# KiCad board NewMXtest.kicad_pcb
title: Echo_Ayla80 PCB; date: 2024-11-14; rev: 1.0; company: Michael O'Toole
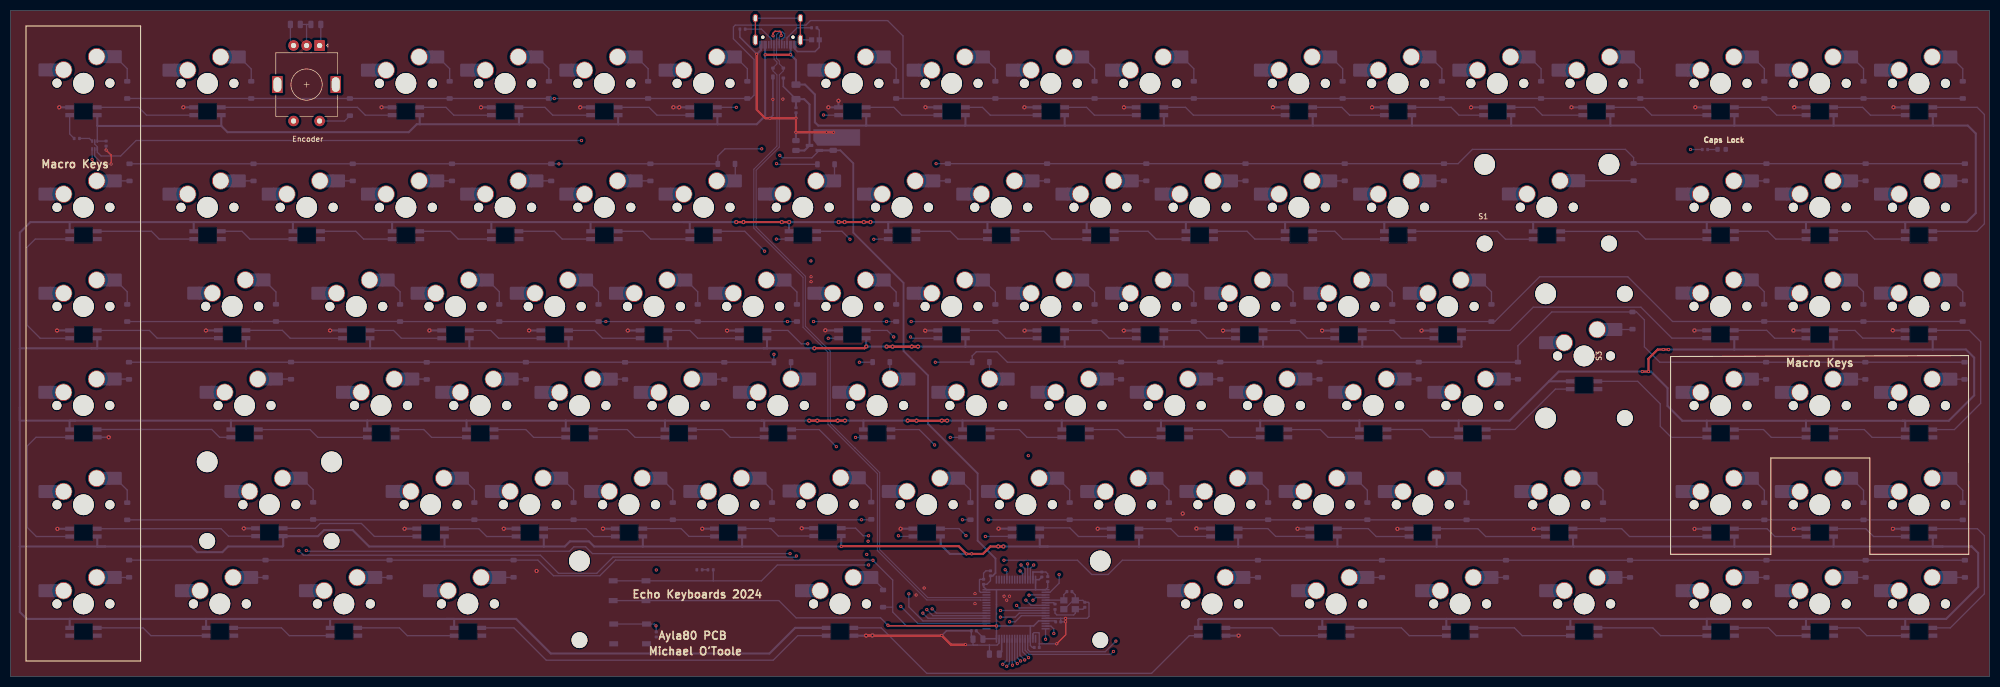
[diagram p0: board, top side]
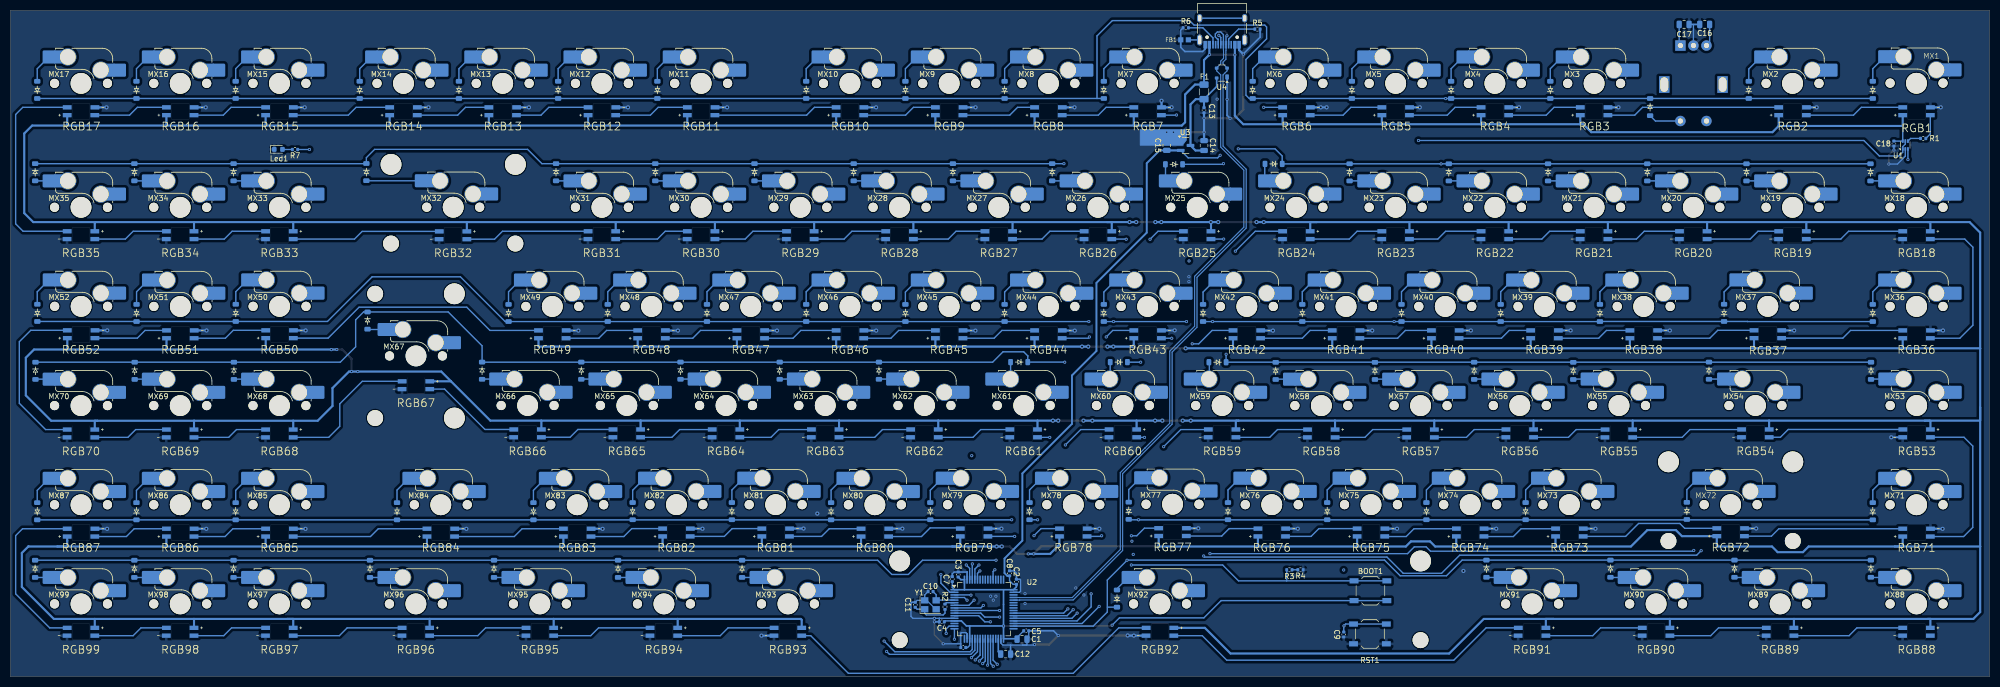
[diagram p1: board, bottom side, seen from below]

Outline 380 x 128 mm; copper layers: Top, In1.Cu, In2.Cu, Bottom. Coordinates in mm from the lower left corner of the outline.
Outline path: 0,128 0,0 380,0 380,128 0,128
Stack: Top 0.035mm / dielectric 0.1mm FR4 er 4.5 / In1.Cu 0.035mm / dielectric 1.24mm FR4 er 4.5 / In2.Cu 0.035mm / dielectric 0.1mm FR4 er 4.5 / Bottom 0.035mm

## Placement (name value [footprint] x y rotation side)
BOOT1  SW_SPST  [SW_SPST_TL3342]  118.88 16.5 180 bottom
C1  47uF  [C_0805_2012Metric]  185.77 7.19 180 bottom
C2  100nF  [C_0402_1005Metric]  186.85 18.21 90 bottom
C3  100nF  [C_0402_1005Metric]  198.02 19.61 90 bottom
C4  100nF  [C_0402_1005Metric]  201.17 10.52 0 bottom
C5  100nF  [C_0402_1005Metric]  184.97 8.79 180 bottom
C6  100nF  [C_0402_1005Metric]  197.06 5.59 0 bottom
C7  100nF  [C_0402_1005Metric]  199.17 18.72 90 bottom
C8  100nF  [C_0402_1005Metric]  188.17 19.84 90 bottom
C9  100nF  [C_0402_1005Metric]  124 8.09 270 bottom
C10  12p  [C_0402_1005Metric]  203.33 16.34 0 bottom
C11  12p  [C_0402_1005Metric]  206.28 13.8 90 bottom
C12  2u2  [C_0805_2012Metric]  188.92 4.32 180 bottom
C13  100nF  [C_0402_1005Metric]  150.83 108.82 270 bottom
C14  1uF  [C_0805_2012Metric]  150.82 102.04 90 bottom
C15  10uF  [C_0805_2012Metric]  157.98 102.06 90 bottom
C16  10n  [C_0805_2012Metric]  54.71 125.3 0 bottom
C17  10n  [C_0805_2012Metric]  58.64 125.3 180 bottom
C18  100nF  [C_0402_1005Metric]  18.37 102.42 270 bottom
D1  4148  [Diode_SOD-123]  22.42 112.73 90 bottom
D2  4148  [Diode_SOD-123]  46.24 112.73 90 bottom
D3  4148  [Diode_SOD-123]  84.34 112.73 90 bottom
D4  4148  [Diode_SOD-123]  103.39 112.73 90 bottom
D5  4148  [Diode_SOD-123]  122.44 112.73 90 bottom
D6  4148  [Diode_SOD-123]  141.49 112.73 90 bottom
D7  4148  [Diode_SOD-123]  170.06 112.73 90 bottom
D8  4148  [Diode_SOD-123]  189.11 112.73 90 bottom
D9  4148  [Diode_SOD-123]  208.16 112.73 90 bottom
D10  4148  [Diode_SOD-123]  227.21 112.73 90 bottom
D11  4148  [Diode_SOD-123]  255.79 112.73 90 bottom
D12  4148  [Diode_SOD-123]  274.84 112.73 90 bottom
D13  4148  [Diode_SOD-123]  293.89 112.73 90 bottom
D14  4148  [Diode_SOD-123]  312.94 112.73 90 bottom
D15  4148  [Diode_SOD-123]  336.75 112.73 90 bottom
D16  4148  [Diode_SOD-123]  355.8 112.73 90 bottom
D17  4148  [Diode_SOD-123]  374.85 112.73 90 bottom
D18  4148  [Diode_SOD-123]  22.86 96.88 270 bottom
D19  4148  [Diode_SOD-123]  46.68 96.88 270 bottom
D20  4148  [Diode_SOD-123]  65.73 96.88 270 bottom
D21  4148  [Diode_SOD-123]  84.78 96.88 270 bottom
D22  4148  [Diode_SOD-123]  103.83 96.88 270 bottom
D23  4148  [Diode_SOD-123]  122.88 96.88 270 bottom
D24  4148  [Diode_SOD-123]  137.47 98.51 0 bottom
D25  4148  [Diode_SOD-123]  156.6 98.43 0 bottom
D26  4148  [Diode_SOD-123]  179.99 96.91 270 bottom
D27  4148  [Diode_SOD-123]  199.04 96.91 270 bottom
D28  4148  [Diode_SOD-123]  218.09 96.91 270 bottom
D29  4148  [Diode_SOD-123]  237.14 96.91 270 bottom
D30  4148  [Diode_SOD-123]  256.19 96.91 270 bottom
D31  4148  [Diode_SOD-123]  275.24 96.91 270 bottom
D32  4148  [Diode_SOD-123]  311.66 96.93 270 bottom
D33  4148  [Diode_SOD-123]  337.15 96.91 270 bottom
D34  4148  [Diode_SOD-123]  356.2 96.91 270 bottom
D35  4148  [Diode_SOD-123]  375.25 96.91 270 bottom
D36  4148  [Diode_SOD-123]  22.42 69.87 90 bottom
D37  4148  [Diode_SOD-123]  50.98 69.89 90 bottom
D38  4148  [Diode_SOD-123]  74.81 69.87 90 bottom
D39  4148  [Diode_SOD-123]  93.86 69.87 90 bottom
D40  4148  [Diode_SOD-123]  112.91 69.87 90 bottom
D41  4148  [Diode_SOD-123]  131.96 69.87 90 bottom
D42  4148  [Diode_SOD-123]  151.01 69.87 90 bottom
D43  4148  [Diode_SOD-123]  170.06 69.87 90 bottom
D44  4148  [Diode_SOD-123]  189.11 69.87 90 bottom
D45  4148  [Diode_SOD-123]  208.16 69.87 90 bottom
D46  4148  [Diode_SOD-123]  227.21 69.87 90 bottom
D47  4148  [Diode_SOD-123]  246.26 69.87 90 bottom
D48  4148  [Diode_SOD-123]  265.31 69.87 90 bottom
D49  4148  [Diode_SOD-123]  284.36 69.87 90 bottom
D50  4148  [Diode_SOD-123]  336.73 69.89 90 bottom
D51  4148  [Diode_SOD-123]  355.78 69.87 90 bottom
D52  4148  [Diode_SOD-123]  374.83 69.89 90 bottom
D53  4148  [Diode_SOD-123]  22.76 58.76 270 bottom
D54  4148  [Diode_SOD-123]  53.88 58.78 270 bottom
D55  4148  [Diode_SOD-123]  79.93 58.74 270 bottom
D56  4148  [Diode_SOD-123]  98.96 58.76 270 bottom
D57  4148  [Diode_SOD-123]  118.01 58.74 270 bottom
D58  4148  [Diode_SOD-123]  137.06 58.74 270 bottom
D59  4148  [Diode_SOD-123]  148.24 60.41 0 bottom
D60  4148  [Diode_SOD-123]  167.19 60.43 0 bottom
D61  4148  [Diode_SOD-123]  186.32 60.43 0 bottom
D62  4148  [Diode_SOD-123]  213.24 58.78 270 bottom
D63  4148  [Diode_SOD-123]  232.29 58.78 270 bottom
D64  4148  [Diode_SOD-123]  251.34 58.78 270 bottom
D65  4148  [Diode_SOD-123]  270.39 58.78 270 bottom
D66  4148  [Diode_SOD-123]  289.44 58.78 270 bottom
D67  4148  [Diode_SOD-123]  311.43 68.41 270 bottom
D68  4148  [Diode_SOD-123]  337.09 58.76 270 bottom
D69  4148  [Diode_SOD-123]  356.14 58.76 270 bottom
D70  4148  [Diode_SOD-123]  375.19 58.76 270 bottom
D71  4148  [Diode_SOD-123]  22.42 31.77 90 bottom
D72  4148  [Diode_SOD-123]  58.12 31.84 90 bottom
D73  4148  [Diode_SOD-123]  89.08 31.79 90 bottom
D74  4148  [Diode_SOD-123]  108.13 31.79 90 bottom
D75  4148  [Diode_SOD-123]  127.18 31.79 90 bottom
D76  4148  [Diode_SOD-123]  146.23 31.79 90 bottom
D77  4148  [Diode_SOD-123]  165.28 31.87 90 bottom
D78  4148  [Diode_SOD-123]  184.33 31.79 90 bottom
D79  4148  [Diode_SOD-123]  203.38 31.79 90 bottom
D80  4148  [Diode_SOD-123]  222.43 31.77 90 bottom
D81  4148  [Diode_SOD-123]  241.48 31.79 90 bottom
D82  4148  [Diode_SOD-123]  260.53 31.79 90 bottom
D83  4148  [Diode_SOD-123]  279.58 31.77 90 bottom
D84  4148  [Diode_SOD-123]  305.77 31.77 90 bottom
D85  4148  [Diode_SOD-123]  336.75 31.77 90 bottom
D86  4148  [Diode_SOD-123]  355.8 31.77 90 bottom
D87  4148  [Diode_SOD-123]  374.85 31.77 90 bottom
D88  4148  [Diode_SOD-123]  22.79 20.73 270 bottom
D89  4148  [Diode_SOD-123]  48.98 20.73 270 bottom
D90  4148  [Diode_SOD-123]  72.79 20.73 270 bottom
D91  4148  [Diode_SOD-123]  96.61 20.73 270 bottom
D92  4148  [Diode_SOD-123]  167.54 14.99 90 bottom
D93  4148  [Diode_SOD-123]  239.53 20.71 270 bottom
D94  4148  [Diode_SOD-123]  263.34 20.71 270 bottom
D95  4148  [Diode_SOD-123]  287.15 20.71 270 bottom
D96  4148  [Diode_SOD-123]  310.96 20.71 270 bottom
D97  4148  [Diode_SOD-123]  337.16 20.71 270 bottom
D98  4148  [Diode_SOD-123]  356.21 20.71 270 bottom
D99  4148  [Diode_SOD-123]  375.26 20.71 270 bottom
D100  4148  [Diode_SOD-123]  65.18 109.43 270 bottom
F1  500mA  [Fuse_1206_3216Metric]  150.83 112.35 270 bottom
FB1  600R  [BEADC1608X95N]  154.56 122.35 0 bottom
J1  USB_C_Receptacle_USB2.0  [USB_C_Receptacle_HRO_TYPE-C-31-M-12]  147.35 125.45 0 bottom
Led1  Blue  [LED_0603_1608Metric]  328.55 101.3 180 bottom
MX1  MX_SW_HS  [MX_HS_RGB_1U]  14.02 113.98 180 bottom
MX2  MX_SW_HS  [SW_MX_HS_CPG151101S11_1u]  37.83 113.98 180 bottom
MX3  MX_SW_HS  [SW_MX_HS_CPG151101S11_1u]  75.93 113.98 180 bottom
MX4  MX_SW_HS  [SW_MX_HS_CPG151101S11_1u]  94.98 113.98 180 bottom
MX5  MX_SW_HS  [SW_MX_HS_CPG151101S11_1u]  114.03 113.98 180 bottom
MX6  MX_SW_HS  [SW_MX_HS_CPG151101S11_1u]  133.08 113.98 180 bottom
MX7  MX_SW_HS  [SW_MX_HS_CPG151101S11_1u]  161.66 113.98 180 bottom
MX8  MX_SW_HS  [SW_MX_HS_CPG151101S11_1u]  180.71 113.98 180 bottom
MX9  MX_SW_HS  [SW_MX_HS_CPG151101S11_1u]  199.76 113.98 180 bottom
MX10  MX_SW_HS  [SW_MX_HS_CPG151101S11_1u]  218.81 113.98 180 bottom
MX11  MX_SW_HS  [SW_MX_HS_CPG151101S11_1u]  247.38 113.98 180 bottom
MX12  MX_SW_HS  [SW_MX_HS_CPG151101S11_1u]  266.43 113.98 180 bottom
MX13  MX_SW_HS  [SW_MX_HS_CPG151101S11_1u]  285.48 113.98 180 bottom
MX14  MX_SW_HS  [SW_MX_HS_CPG151101S11_1u]  304.53 113.98 180 bottom
MX15  MX_SW_HS  [SW_MX_HS_CPG151101S11_1u]  328.34 113.98 180 bottom
MX16  MX_SW_HS  [SW_MX_HS_CPG151101S11_1u]  347.39 113.98 180 bottom
MX17  MX_SW_HS  [SW_MX_HS_CPG151101S11_1u]  366.44 113.98 180 bottom
MX18  MX_SW_HS  [SW_MX_HS_CPG151101S11_1u]  14.02 90.17 180 bottom
MX19  MX_SW_HS  [SW_MX_HS_CPG151101S11_1u]  37.83 90.17 180 bottom
MX20  MX_SW_HS  [SW_MX_HS_CPG151101S11_1u]  56.88 90.17 180 bottom
MX21  MX_SW_HS  [SW_MX_HS_CPG151101S11_1u]  75.93 90.17 180 bottom
MX22  MX_SW_HS  [SW_MX_HS_CPG151101S11_1u]  94.98 90.17 180 bottom
MX23  MX_SW_HS  [SW_MX_HS_CPG151101S11_1u]  114.03 90.17 180 bottom
MX24  MX_SW_HS  [SW_MX_HS_CPG151101S11_1u]  133.08 90.17 180 bottom
MX25  MX_SW_HS  [SW_MX_HS_CPG151101S11_1u]  152.13 90.17 180 bottom
MX26  MX_SW_HS  [SW_MX_HS_CPG151101S11_1u]  171.18 90.17 180 bottom
MX27  MX_SW_HS  [SW_MX_HS_CPG151101S11_1u]  190.23 90.17 180 bottom
MX28  MX_SW_HS  [SW_MX_HS_CPG151101S11_1u]  209.28 90.17 180 bottom
MX29  MX_SW_HS  [SW_MX_HS_CPG151101S11_1u]  228.33 90.17 180 bottom
MX30  MX_SW_HS  [SW_MX_HS_CPG151101S11_1u]  247.38 90.17 180 bottom
MX31  MX_SW_HS  [SW_MX_HS_CPG151101S11_1u]  266.43 90.17 180 bottom
MX32  MX_SW_HS  [SW_MX_HS_CPG151101S11_1u]  294.99 90.19 180 bottom
MX33  MX_SW_HS  [SW_MX_HS_CPG151101S11_1u]  328.34 90.17 180 bottom
MX34  MX_SW_HS  [SW_MX_HS_CPG151101S11_1u]  347.39 90.17 180 bottom
MX35  MX_SW_HS  [SW_MX_HS_CPG151101S11_1u]  366.44 90.17 180 bottom
MX36  MX_SW_HS  [SW_MX_HS_CPG151101S11_1u]  14.02 71.12 180 bottom
MX37  MX_SW_HS  [SW_MX_HS_CPG151101S11_1.5u]  42.58 71.14 180 bottom
MX38  MX_SW_HS  [SW_MX_HS_CPG151101S11_1u]  66.41 71.12 180 bottom
MX39  MX_SW_HS  [SW_MX_HS_CPG151101S11_1u]  85.46 71.12 180 bottom
MX40  MX_SW_HS  [SW_MX_HS_CPG151101S11_1u]  104.51 71.12 180 bottom
MX41  MX_SW_HS  [SW_MX_HS_CPG151101S11_1u]  123.56 71.12 180 bottom
MX42  MX_SW_HS  [SW_MX_HS_CPG151101S11_1u]  142.61 71.12 180 bottom
MX43  MX_SW_HS  [SW_MX_HS_CPG151101S11_1u]  161.66 71.12 180 bottom
MX44  MX_SW_HS  [SW_MX_HS_CPG151101S11_1u]  180.71 71.12 180 bottom
MX45  MX_SW_HS  [SW_MX_HS_CPG151101S11_1u]  199.76 71.12 180 bottom
MX46  MX_SW_HS  [SW_MX_HS_CPG151101S11_1u]  218.81 71.12 180 bottom
MX47  MX_SW_HS  [SW_MX_HS_CPG151101S11_1u]  237.86 71.12 180 bottom
MX48  MX_SW_HS  [SW_MX_HS_CPG151101S11_1u]  256.91 71.12 180 bottom
MX49  MX_SW_HS  [SW_MX_HS_CPG151101S11_1u]  275.96 71.12 180 bottom
MX50  MX_SW_HS  [SW_MX_HS_CPG151101S11_1u]  328.32 71.14 180 bottom
MX51  MX_SW_HS  [SW_MX_HS_CPG151101S11_1u]  347.38 71.12 180 bottom
MX52  MX_SW_HS  [SW_MX_HS_CPG151101S11_1u]  366.43 71.14 180 bottom
MX53  MX_SW_HS  [SW_MX_HS_CPG151101S11_1u]  14 52.09 180 bottom
MX54  MX_SW_HS  [SW_MX_HS_CPG151101S11_1.75u]  44.96 52.09 180 bottom
MX55  MX_SW_HS  [SW_MX_HS_CPG151101S11_1u]  71.15 52.09 180 bottom
MX56  MX_SW_HS  [SW_MX_HS_CPG151101S11_1u]  90.2 52.09 180 bottom
MX57  MX_SW_HS  [SW_MX_HS_CPG151101S11_1u]  109.25 52.07 180 bottom
MX58  MX_SW_HS  [SW_MX_HS_CPG151101S11_1u]  128.3 52.07 180 bottom
MX59  MX_SW_HS  [SW_MX_HS_CPG151101S11_1u]  147.35 52.09 180 bottom
MX60  MX_SW_HS  [SW_MX_HS_CPG151101S11_1u]  166.4 52.09 180 bottom
MX61  MX_SW_HS  [SW_MX_HS_CPG151101S11_1u]  185.45 52.09 180 bottom
MX62  MX_SW_HS  [SW_MX_HS_CPG151101S11_1u]  204.5 52.09 180 bottom
MX63  MX_SW_HS  [SW_MX_HS_CPG151101S11_1u]  223.55 52.09 180 bottom
MX64  MX_SW_HS  [SW_MX_HS_CPG151101S11_1u]  242.6 52.09 180 bottom
MX65  MX_SW_HS  [SW_MX_HS_CPG151101S11_1u]  261.65 52.09 180 bottom
MX66  MX_SW_HS  [SW_MX_HS_CPG151101S11_1u]  280.7 52.09 180 bottom
MX67  MX_SW_HS  [SW_MX_HS_CPG151101S11_1u]  302.13 61.61 180 bottom
MX68  MX_SW_HS  [SW_MX_HS_CPG151101S11_1u]  328.34 52.07 180 bottom
MX69  MX_SW_HS  [SW_MX_HS_CPG151101S11_1u]  347.39 52.07 180 bottom
MX70  MX_SW_HS  [SW_MX_HS_CPG151101S11_1u]  366.44 52.07 180 bottom
MX71  MX_SW_HS  [SW_MX_HS_CPG151101S11_1u]  14.02 33.02 180 bottom
MX72  MX_SW_HS  [SW_MX_HS_2.25U]  49.72 33.09 180 bottom
MX73  MX_SW_HS  [SW_MX_HS_CPG151101S11_1u]  80.67 33.04 180 bottom
MX74  MX_SW_HS  [SW_MX_HS_CPG151101S11_1u]  99.72 33.04 180 bottom
MX75  MX_SW_HS  [SW_MX_HS_CPG151101S11_1u]  118.78 33.04 180 bottom
MX76  MX_SW_HS  [SW_MX_HS_CPG151101S11_1u]  137.82 33.04 180 bottom
MX77  MX_SW_HS  [SW_MX_HS_CPG151101S11_1u]  156.88 33.12 180 bottom
MX78  MX_SW_HS  [SW_MX_HS_CPG151101S11_1u]  175.93 33.04 180 bottom
MX79  MX_SW_HS  [SW_MX_HS_CPG151101S11_1u]  194.97 33.04 180 bottom
MX80  MX_SW_HS  [SW_MX_HS_CPG151101S11_1u]  214.03 33.02 180 bottom
MX81  MX_SW_HS  [SW_MX_HS_CPG151101S11_1u]  233.07 33.04 180 bottom
MX82  MX_SW_HS  [SW_MX_HS_CPG151101S11_1u]  252.12 33.04 180 bottom
MX83  MX_SW_HS  [SW_MX_HS_CPG151101S11_1u]  271.18 33.02 180 bottom
MX84  MX_SW_HS  [SW_MX_HS_CPG151101S11_1.75u]  297.37 33.02 180 bottom
MX85  MX_SW_HS  [SW_MX_HS_CPG151101S11_1u]  328.34 33.02 180 bottom
MX86  MX_SW_HS  [SW_MX_HS_CPG151101S11_1u]  347.39 33.02 180 bottom
MX87  MX_SW_HS  [SW_MX_HS_CPG151101S11_1u]  366.44 33.02 180 bottom
MX88  MX_SW_HS  [SW_MX_HS_CPG151101S11_1u]  14.02 13.97 180 bottom
MX89  MX_SW_HS  [SW_MX_HS_CPG151101S11_1.25u]  40.21 13.97 180 bottom
MX90  MX_SW_HS  [SW_MX_HS_CPG151101S11_1.25u]  64.03 13.97 180 bottom
MX91  MX_SW_HS  [SW_MX_HS_CPG151101S11_1.25u]  87.84 13.97 180 bottom
MX92  MX_SW_HS  [SW_MX_HS_CPG151101S11_1u]  159.28 13.97 180 bottom
MX93  MX_SW_HS  [SW_MX_HS_CPG151101S11_1.25u]  230.71 13.97 180 bottom
MX94  MX_SW_HS  [SW_MX_HS_CPG151101S11_1.25u]  254.53 13.97 180 bottom
MX95  MX_SW_HS  [SW_MX_HS_CPG151101S11_1.25u]  278.34 13.97 180 bottom
MX96  MX_SW_HS  [SW_MX_HS_CPG151101S11_1.25u]  302.15 13.97 180 bottom
MX97  MX_SW_HS  [SW_MX_HS_CPG151101S11_1u]  328.34 13.97 180 bottom
MX98  MX_SW_HS  [SW_MX_HS_CPG151101S11_1u]  347.39 13.97 180 bottom
MX99  MX_SW_HS  [SW_MX_HS_CPG151101S11_1u]  366.44 13.97 180 bottom
R1  27  [R_0402_1005Metric]  12.75 103.4 180 bottom
R2  220  [R_0402_1005Metric]  200.56 13.42 270 bottom
R3  5.1k  [R_0402_1005Metric]  134.44 20.53 180 bottom
R4  5.1k  [R_0402_1005Metric]  132.3 20.53 0 bottom
R5  5.1k  [R_0402_1005Metric]  140.57 124.41 0 bottom
R6  5.1k  [R_0402_1005Metric]  154.34 124.66 0 bottom
R7  220  [R_0402_1005Metric]  325.36 101.27 0 bottom
RGB1  -  [SK6812-E]  14.02 108.63 0 bottom
RGB2  -  [SK6812-E]  37.84 108.63 0 bottom
RGB3  -  [SK6812-E]  75.94 108.63 0 bottom
RGB4  -  [SK6812-E]  94.99 108.63 0 bottom
RGB5  -  [SK6812-E]  114.04 108.63 0 bottom
RGB6  -  [SK6812-E]  133.09 108.63 0 bottom
RGB7  -  [SK6812-E]  161.66 108.63 0 bottom
RGB8  -  [SK6812-E]  180.71 108.63 0 bottom
RGB9  -  [SK6812-E]  199.76 108.63 0 bottom
RGB10  -  [SK6812-E]  218.81 108.63 0 bottom
RGB11  -  [SK6812-E]  247.39 108.63 0 bottom
RGB12  -  [SK6812-E]  266.44 108.63 0 bottom
RGB13  -  [SK6812-E]  285.49 108.63 0 bottom
RGB14  -  [SK6812-E]  304.54 108.63 0 bottom
RGB15  -  [SK6812-E]  328.35 108.63 0 bottom
RGB16  -  [SK6812-E]  347.4 108.63 0 bottom
RGB17  -  [SK6812-E]  366.45 108.63 0 bottom
RGB18  -  [SK6812-E]  14.02 84.81 180 bottom
RGB19  -  [SK6812-E]  37.84 84.81 180 bottom
RGB20  -  [SK6812-E]  56.89 84.81 180 bottom
RGB21  -  [SK6812-E]  75.94 84.81 180 bottom
RGB22  -  [SK6812-E]  94.99 84.81 180 bottom
RGB23  -  [SK6812-E]  114.04 84.81 180 bottom
RGB24  -  [SK6812-E]  133.09 84.81 180 bottom
RGB25  -  [SK6812-E]  152.14 84.81 180 bottom
RGB26  -  [SK6812-E]  171.19 84.81 180 bottom
RGB27  -  [SK6812-E]  190.24 84.81 180 bottom
RGB28  -  [SK6812-E]  209.29 84.81 180 bottom
RGB29  -  [SK6812-E]  228.34 84.81 180 bottom
RGB30  -  [SK6812-E]  247.39 84.81 180 bottom
RGB31  -  [SK6812-E]  266.44 84.81 180 bottom
RGB32  -  [SK6812-E]  295.01 84.79 180 bottom
RGB33  -  [SK6812-E]  328.35 84.81 180 bottom
RGB34  -  [SK6812-E]  347.4 84.81 180 bottom
RGB35  -  [SK6812-E]  366.45 84.81 180 bottom
RGB36  -  [SK6812-E]  14.02 65.76 0 bottom
RGB37  -  [SK6812-E]  42.58 65.78 0 bottom
RGB38  -  [SK6812-E]  66.41 65.76 0 bottom
RGB39  -  [SK6812-E]  85.46 65.76 0 bottom
RGB40  -  [SK6812-E]  104.51 65.76 0 bottom
RGB41  -  [SK6812-E]  123.56 65.76 0 bottom
RGB42  -  [SK6812-E]  142.61 65.76 0 bottom
RGB43  -  [SK6812-E]  161.66 65.76 0 bottom
RGB44  -  [SK6812-E]  180.71 65.76 0 bottom
RGB45  -  [SK6812-E]  199.76 65.76 0 bottom
RGB46  -  [SK6812-E]  218.81 65.76 0 bottom
RGB47  -  [SK6812-E]  237.86 65.76 0 bottom
RGB48  -  [SK6812-E]  256.91 65.76 0 bottom
RGB49  -  [SK6812-E]  275.96 65.76 0 bottom
RGB50  -  [SK6812-E]  328.33 65.78 0 bottom
RGB51  -  [SK6812-E]  347.38 65.76 0 bottom
RGB52  -  [SK6812-E]  366.43 65.78 0 bottom
RGB53  -  [SK6812-E]  14 46.73 180 bottom
RGB54  -  [SK6812-E]  44.96 46.73 180 bottom
RGB55  -  [SK6812-E]  71.17 46.71 180 bottom
RGB56  -  [SK6812-E]  90.2 46.73 180 bottom
RGB57  -  [SK6812-E]  109.25 46.71 180 bottom
RGB58  -  [SK6812-E]  128.31 46.71 180 bottom
RGB59  -  [SK6812-E]  147.35 46.73 180 bottom
RGB60  -  [SK6812-E]  166.41 46.73 180 bottom
RGB61  -  [SK6812-E]  185.45 46.73 180 bottom
RGB62  -  [SK6812-E]  204.5 46.73 180 bottom
RGB63  -  [SK6812-E]  223.56 46.73 180 bottom
RGB64  -  [SK6812-E]  242.61 46.73 180 bottom
RGB65  -  [SK6812-E]  261.65 46.73 180 bottom
RGB66  -  [SK6812-E]  280.7 46.73 180 bottom
RGB67  -  [SK6812-E]  302.14 55.99 180 bottom
RGB68  -  [SK6812-E]  328.35 46.71 180 bottom
RGB69  -  [SK6812-E]  347.4 46.71 180 bottom
RGB70  -  [SK6812-E]  366.45 46.71 180 bottom
RGB71  -  [SK6812-E]  14.02 27.66 0 bottom
RGB72  -  [SK6812-E]  49.72 27.73 0 bottom
RGB73  -  [SK6812-E]  80.68 27.68 0 bottom
RGB74  -  [SK6812-E]  99.73 27.68 0 bottom
RGB75  -  [SK6812-E]  118.78 27.68 0 bottom
RGB76  -  [SK6812-E]  137.83 27.68 0 bottom
RGB77  -  [SK6812-E]  156.88 27.76 0 bottom
RGB78  -  [SK6812-E]  175.93 27.68 0 bottom
RGB79  -  [SK6812-E]  194.98 27.68 0 bottom
RGB80  -  [SK6812-E]  214.03 27.66 0 bottom
RGB81  -  [SK6812-E]  233.08 27.68 0 bottom
RGB82  -  [SK6812-E]  252.13 27.68 0 bottom
RGB83  -  [SK6812-E]  271.18 27.66 0 bottom
RGB84  -  [SK6812-E]  297.37 27.66 0 bottom
RGB85  -  [SK6812-E]  328.35 27.66 0 bottom
RGB86  -  [SK6812-E]  347.4 27.66 0 bottom
RGB87  -  [SK6812-E]  366.45 27.66 0 bottom
RGB88  -  [SK6812-E]  14.02 8.61 180 bottom
RGB89  -  [SK6812-E]  40.22 8.61 180 bottom
RGB90  -  [SK6812-E]  64.03 8.61 180 bottom
RGB91  -  [SK6812-E]  87.84 8.61 180 bottom
RGB92  -  [SK6812-E]  159.28 8.61 180 bottom
RGB93  -  [SK6812-E]  230.72 8.61 180 bottom
RGB94  -  [SK6812-E]  254.53 8.61 180 bottom
RGB95  -  [SK6812-E]  278.34 8.61 180 bottom
RGB96  -  [SK6812-E]  302.16 8.61 180 bottom
RGB97  -  [SK6812-E]  328.35 8.61 180 bottom
RGB98  -  [SK6812-E]  347.4 8.61 180 bottom
RGB99  -  [SK6812-E]  366.45 8.61 180 bottom
RST1  SW_SPST  [SW_SPST_TL3342]  118.97 8.2 180 bottom
S1  MX_stab  [Stabilizer_MX_2.00u]  294.99 90.19 180 top
S2  MX_stab  [Stabilizer_MX_2.00u]  49.72 33.04 180 top
S3  MX_stab  [Stabilizer_MX_2.00u]  302.99 61.61 270 top
S4  MX_stab  [Stabilizer_MX_6.25u]  159.26 13.99 180 top
SW1  Encoder  [RotaryEncoder_Alps_EC11E-Switch_Vertical_H20mm]  59.36 121.25 270 top
U1  74LVC1T45  [SOT-563]  16.18 102.14 90 bottom
U2  STM32F411RETx  [LQFP-64_10x10mm_P0.5mm]  193.07 12.95 180 bottom
U3  XC6206PxxxMR-Regulator_Linear  [SOT-23]  154.36 102.05 180 bottom
U4  PRTR5V0U2X  [SOT-143]  147.4 115.96 0 bottom
Y1  16Mhz  [Crystal_SMD_3225-4Pin_3.2x2.5mm]  203.36 13.8 180 bottom

## Library data of the parts
C1-C15 C18 = -: LCSC: C307331; ki_fp_filters: C_*
C16 C17 = -: Description: Unpolarized capacitor, small symbol; ki_fp_filters: C_*
D1-D100 = -: Description: Diode, small symbol; Sim.Device: D; Sim.Pins: 1=K 2=A; ki_fp_filters: TO-???* *_Diode_* *SingleDiode* D_*
F1 = -: LCSC: C135341; ki_fp_filters: *polyfuse* *PTC*
FB1 = -: Description: Ferrite bead, small symbol; ki_fp_filters: Inductor_* L_* *Ferrite*
J1 = -: Datasheet: https://www.usb.org/sites/default/files/documents/usb_type-c.zip; JlcRotOffset: 180; JlcPosOffset: 0,1.5; ki_fp_filters: USB*C*Receptacle*
Led1 = -: Description: Light emitting diode, small symbol, filled shape; ki_fp_filters: LED* LED_SMD:* LED_THT:*
MX1-MX87 MX89-MX99 = -: Description: Push button switch, normally open, two pins, 45° tilted, Kailh CPG151101S11 for Cherry MX style switches
MX88 = -: Description: Push button switch, normally open, two pins, 45° tilted, Gateron KS-2P02B01-01 for Cherry MX style switches
R1 R2 R7 = -: Description: Resistor, small symbol; ki_fp_filters: R_*
R3-R6 = -: ki_fp_filters: R_*
RGB1 = -: Datasheet: C5149201; Description: RGB LED with integrated controllerBackMount
RGB2-RGB99 = -: Datasheet: C5149201; Description: RGB LED with integrated controller
S1-S4 = -: Description: Cherry MX-style stabilizer
SW1 = -: Description: Rotary encoder, dual channel, incremental quadrate outputs, with switch; ki_fp_filters: RotaryEncoder*Switch*
U1 = -: MPN : 74LVC1T45Z6-7 - SN74LVC1T45DRLR; JLCPCB_CORRECTION: 0; 0; 270; LCSC: C441819; ki_fp_filters: *SOT?563*
U2 = -: Datasheet: https://www.st.com/resource/en/datasheet/stm32f411re.pdf; Description: STMicroelectronics Arm Cortex-M4 MCU, 512KB flash, 128KB RAM, 100 MHz, 1.7-3.6V, 50 GPIO, LQFP64; ki_fp_filters: LQFP*10x10mm*P0.5mm*
U3 = -: Datasheet: https://www.torexsemi.com/file/xc6206/XC6206.pdf; LCSC: C5446; ki_fp_filters: SOT?23*
U4 = -: Datasheet: https://assets.nexperia.com/documents/data-sheet/PRTR5V0U2X.pdf; LCSC: C2827688; JlcRotOffset: 90; ki_fp_filters: SOT?143*
Y1 = -: Description: Four pin crystal, GND on pins 2 and 4, small symbol; ki_fp_filters: Crystal*
